# KiCad board KlusterLab r2.0.kicad_pcb (continued)
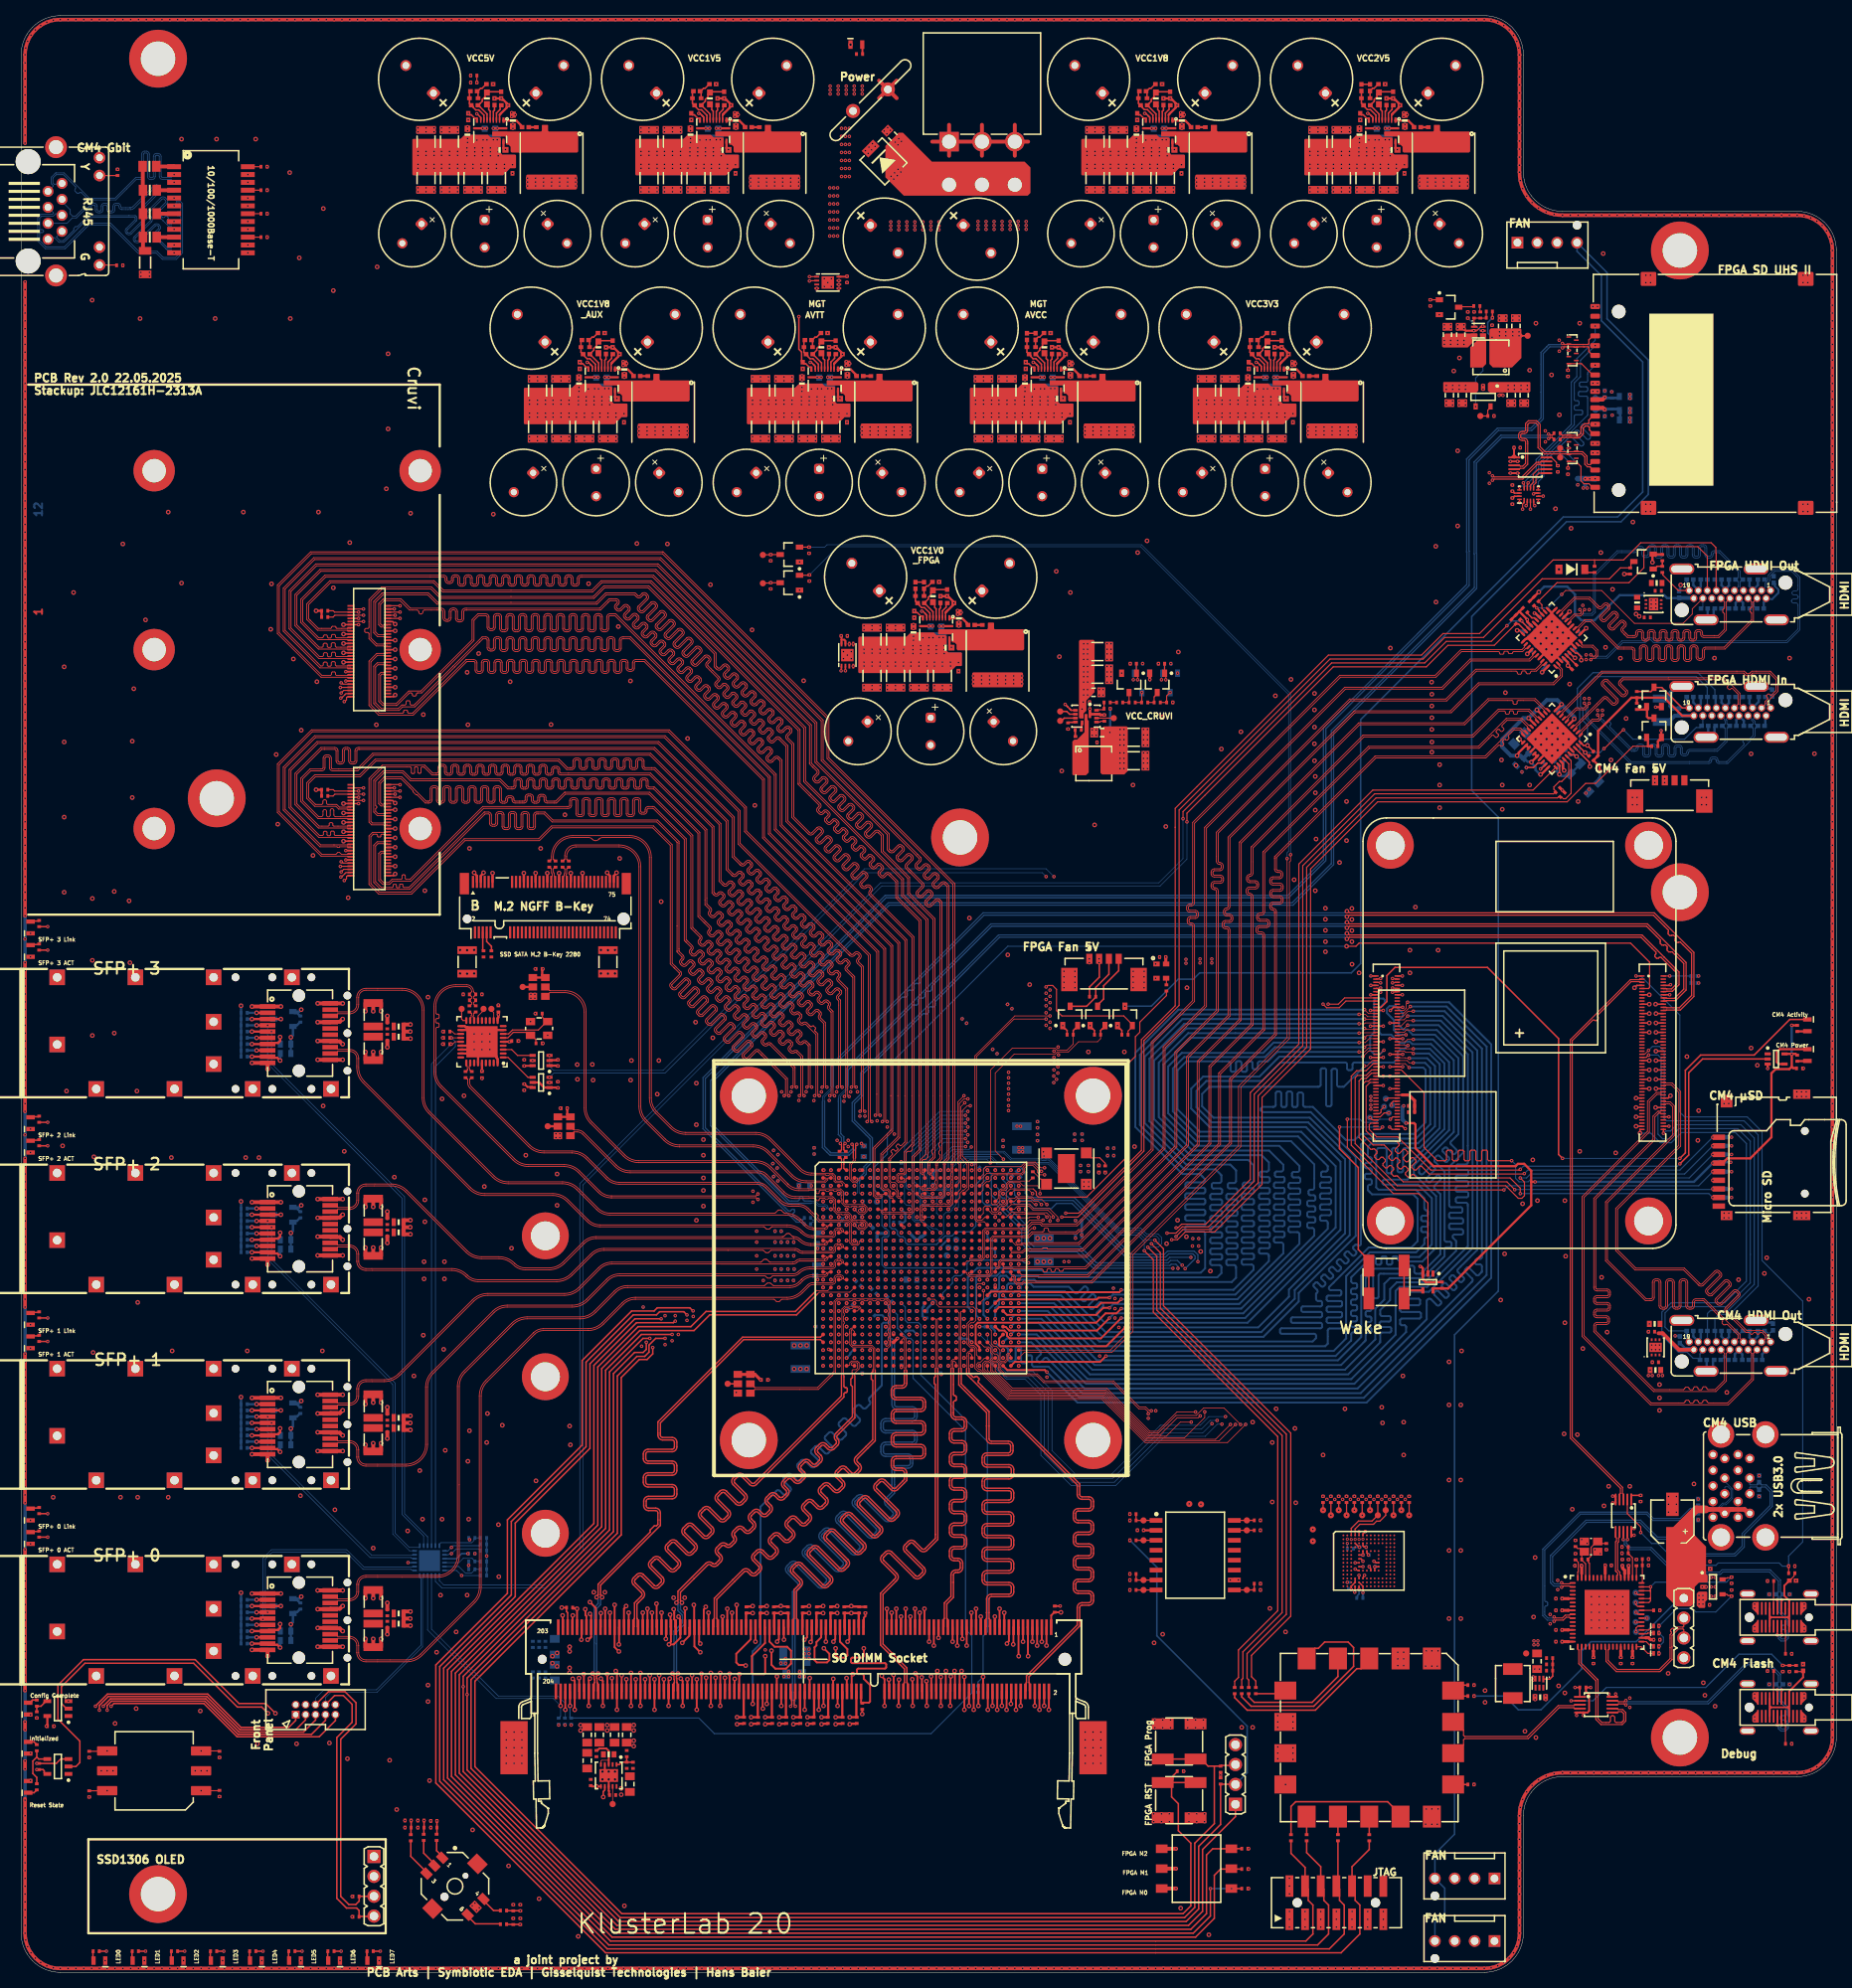
[diagram p0: board, top side]
## Routing (per net, layer and track width the routed paths; a pad name or vN(x,y) marks a point on that pad's centre or on a via; arc(x,y) is an arc through that point) (continued)
VCC1V0_FPGA: length 15.6
  L10 Inner9 (Sig) w0.4: v1(117.33,177.65) 117.33,176.91 116.8,176.39 116.8,175.05 119.06,172.79 119.06,171.56 119.71,170.91 119.71,168.97 120.33,168.35 120.33,166.78 v1(119.8,166.25)
  L12 Bottom w0.4: v1(109.5,93.5) 109.5,93.59 109.4,93.69 109.4,94.51 109.44,94.55 109.45,94.55 109.58,94.42 110.42,94.42 v1(110.5,94.5)
  vias: v1(96.63,102.77) v1(96.73,104.47) v1(96.73,101.12) v1(97.15,94.7) v1(97.15,93.3) v1(97.15,91.55) v1(97.15,89.85) v1(97.15,88.4) v1(97.96,93.3) v1(97.96,91.55) v1(98.01,89.85) v1(97.96,88.4) v1(101.35,104.56) v1(107.73,164.4) v1(107.73,163.9) v1(108.75,164.4) v1(108.75,163.9) v1(109.5,91.5) v1(109.78,164.4) v1(109.78,163.9) v1(110.5,92.5) v1(110.5,90.5) v1(110.73,164.4) v1(110.73,163.9) v1(111.5,93.5) v1(111.75,164.4) v1(111.75,163.9) v1(112.78,164.4) v1(112.78,163.9) v1(113.5,93.5) v1(113.5,87.5) v1(113.73,164.4) v1(113.73,163.9) v1(114.5,92.5) v1(114.5,90.5) v1(114.5,88.5) v1(114.5,86.5) v1(114.75,164.4) v1(114.75,163.9) v1(115.5,93.5) v1(115.5,91.5) v1(115.5,89.5) v1(115.5,87.5) v1(115.78,164.4) v1(115.78,163.9) v1(116.5,92.5) v1(116.5,90.5) v1(116.5,88.5) v1(116.5,86.5) v1(116.73,164.4) v1(116.73,163.9) v1(117.75,164.4) v1(117.75,163.9) v1(118.78,164.4) v1(118.78,163.9) v1(120.83,121.27) v1(121.73,165.64) v1(121.73,165.14) v1(121.73,164.64) v1(122.75,165.64) v1(122.75,165.14) v1(122.75,164.64) v1(123.78,165.64) v1(123.78,165.14) v1(123.78,164.64) v1(124.73,117.37) v1(124.8,165.64) v1(124.8,165.14) v1(124.8,164.64) v1(125.5,105.5) v1(125.83,165.64) v1(125.83,165.14) v1(125.83,164.64) v1(126.63,123.12) v1(126.85,165.64) v1(126.85,165.14) v1(126.85,164.64) v1(127.88,165.64) v1(127.88,165.14) v1(127.88,164.64) v1(129.9,107.9) v1(129.9,107.05) v1(134.65,106.3) v1(134.76,96.05) v1(134.76,93.8) v1(135.4,103.1) v1(135.6,106.3) v1(136.4,103.1) v1(138.86,105.3) v1(138.86,104.35)
VCC1V5: length 76.6
  L1 Top w0.3: J1.106 97.75,32.64 97.71,32.6 97.7,32.6 97.7,32.6 96.9,32.6 v2(96.9,32.6) ; v2(102.5,45.9) 102.5,45.9 101.69,45.9 101.65,45.87 J1.93 ; J1.87 103.45,45.87 103.49,45.9 104.3,45.9 v2(104.3,45.9) ; J1.88 103.15,32.64 103.11,32.6 C29.1 103.1,32.6 102.3,32.6 v2(102.3,32.6) ; J1.100 99.55,32.64 99.51,32.6 99.5,32.6 99.5,32.6 98.7,32.6 v2(98.7,32.6) ; J1.111 96.25,45.87 96.29,45.91 96.3,45.91 96.3,45.9 97.1,45.9 v2(97.1,45.9) 97.1,45.9 98,45.9 C35.1 ; v2(95.3,45.9) 95.3,45.9 94.5,45.9 C33.1 94.49,45.91 94.45,45.87 J1.117 ; C18.1 107.1,45.9 107.09,45.9 ; 107.09,45.9 107.05,45.87 J1.75 ; 107.09,45.9 106.1,45.9 v2(106.1,45.9) 106.1,45.9 105.3,45.9 105.3,45.91 105.29,45.91 105.25,45.87 J1.81 ; J1.94 101.35,32.64 101.31,32.6 C32.1 101.3,32.6 100.5,32.6 v2(100.5,32.6) ; v2(100.7,45.9) 100.7,45.9 99.89,45.9 99.85,45.87 J1.99 ; J1.105 98.05,45.87 ; v2(93.5,45.9) 93.5,45.9 92.7,45.9 C34.1 92.69,45.91 92.65,45.87 J1.123 ; J1.112 95.95,32.64 95.91,32.6 95.9,32.6 95.9,32.6 95.1,32.6 v2(95.1,32.6) ; v2(104.1,32.6) 104.1,32.6 104.9,32.6 104.9,32.6 104.91,32.6 104.95,32.64 J1.82 ; v2(93.3,32.6) 93.3,32.6 94.1,32.6 94.1,32.6 94.11,32.6 94.15,32.64 J1.118 ; J1.124 92.35,32.64 92.31,32.6 92.3,32.6 92.3,32.6 91.5,32.6 v2(91.5,32.6) ; J1.76 106.75,32.64 106.71,32.6 106.7,32.6 106.7,32.6 105.9,32.6 v2(105.9,32.6)
  L10 Inner9 (Sig) w0.4: v1(88.83,241.25) 88.83,240.51 88.3,239.99 88.3,238.65 90.56,236.39 90.56,235.16 91.21,234.51 91.21,232.57 91.83,231.95 91.83,230.38 v1(91.3,229.85)
  L12 Bottom w0.3: v1(115.5,83.5) 115.5,83.55 115.2,83.85 115.2,84.9 115.36,85.06 115.36,85.47 R3.2
  vias: v1(70.3,31.6) v1(79.23,228) v1(79.23,227.5) v1(80.25,228) v1(80.25,227.5) v1(81.28,228) v1(81.28,227.5) v1(82.23,228) v1(82.23,227.5) v1(83.25,228) v1(83.25,227.5) v1(84.28,228) v1(84.28,227.5) v1(85.23,228) v1(85.23,227.5) v1(86.25,228) v1(86.25,227.5) v1(87.28,228) v1(87.28,227.5) v1(88.23,228) v1(88.23,227.5) v1(89.25,228) v1(89.25,227.5) v1(90.28,228) v1(90.28,227.5) v1(93.23,229.24) v1(93.23,228.74) v1(93.23,228.24) v1(94.25,229.24) v1(94.25,228.74) v1(94.25,228.24) v1(95.28,229.24) v1(95.28,228.74) v1(95.28,228.24) v1(96.3,229.24) v1(96.3,228.74) v1(96.3,228.24) v1(97.33,229.24) v1(97.33,228.74) v1(97.33,228.24) v1(98.35,229.24) v1(98.35,228.74) v1(98.35,228.24) v1(99.38,229.24) v1(99.38,228.74) v1(99.38,228.24) v1(99.5,38.4) v1(99.5,37.8) v1(100.1,41.3) v1(100.1,40.7) v1(100.1,40.1) v1(100.1,37.8) v1(100.7,41.3) v1(100.7,40.7) v1(100.7,40.1) v1(102.5,82.5) v1(103.2,79.6) v1(104.5,86.5) v1(105.5,83.5) v1(106.5,80.5) v1(107.5,77.5) v1(108.5,84.5) v1(109.5,81.5) v1(110.5,78.5) v1(111.5,85.5) v1(112.52,82.52) v1(113.5,79.5) v1(116.5,80.5) v1(117.5,77.5) v1(118.5,84.5) v1(119.52,81.48) v1(120.5,78.5) v2(70.1,38.9) v2(70.1,38.3) v2(78.3,29.6) v2(78.3,28.9) v2(98.8,77.1) v2(99.6,77.1) v2(100.4,77.1)
VCC1V8: length 49.5
  L1 Top w0.2: v1(190.59,188.38) 190.64,188.38 190.73,188.47 190.73,188.48 190.85,188.6 U38.15 ; v1(171,48.93) U14.P5 ; v1(170,48.93) U14.P3 U14.N4 U14.M4 ; 190.59,188.36 190.64,188.36 ; U14.C6 171.5,54.51 171.62,54.38 171.85,54.38 v1(171.9,54.33) ; R94.1 R95.1
  L1 Top w0.3: v1(143.46,56.49) 143.47,56.48 U17.2 ; U36.5 66.2,113.7 66.85,113.05 U36.1 68.51,113.05 68.55,113.01 v1(68.6,113.01) ; C198.2 66.6,127.41 66.8,127.2 66.8,127.1 Y5.1 ; Y6.1 70,109.3 70,109.4 69.8,109.6 69.8,110.39 v1(69.8,110.4) ; C195.2 68.55,115.81 68.51,115.85 U24.1
  L1 Top w0.4: Y4.1 93.8,76.4 v1(94.5,75.7) ; 146.29,129.68 146.29,128.88 Y7.4
  L1 Top w0.5: v1(147.61,13.25) S3.24 145.69,13.34 ; 145.69,15.88 S3.34 v1(147.61,15.79) ; v1(147.61,10.71) S3.14 145.69,10.8
  L10 Inner9 (Sig) w0.4: v1(148.3,229.85) 148.83,230.38 148.83,231.95 148.21,232.57 148.21,234.51 147.56,235.16 147.56,236.39 145.3,238.65 145.3,239.99 145.83,240.51 v1(145.83,241.25)
  L12 Bottom w0.2: C243.1 122.44,102.79 122.44,102.53 v1(122.48,102.5) ; 59.5,55.4 59.5,50.7 R199.2 ; v1(171,48.93) 171,48.33 170.79,48.12 170.79,47.92 C154.1 ; C185.1 56.3,53.5 55.65,52.85 U22.21 ; v1(122.5,82.5) C227.1
  vias: v1(10.25,25.75) v1(11,25.75) v1(11.75,25.75) v1(22.25,25.75) v1(23,25.75) v1(23.75,25.75) v1(49.06,18.5) v1(50.71,18.5) v1(52.36,18.5) v1(57.1,53.5) v1(59.5,53.2) v1(62.9,8.64) v1(62.9,6.89) v1(66.7,128.2) v1(68.6,115.81) v1(99.49,180.2) v1(99.49,176.6) v1(100.7,181.31) v1(100.75,177.76) v1(107.5,87.5) v1(108.5,92.5) v1(121.5,85.5) v1(122.5,92.5) v1(123.5,99.5) v1(123.5,79.5) v1(124.5,96.5) v1(124.5,86.5) v1(125.5,83.5) v1(126.5,100.5) v1(126.5,80.5) v1(127.5,97.5) v1(127.5,77.5) v1(135.84,101) v1(135.84,100.4) v1(136.23,228) v1(136.23,227.5) v1(136.44,101) v1(136.44,100.4) v1(137.25,228) v1(137.25,227.5) v1(137.75,102.15) v1(138.28,228) v1(138.28,227.5) v1(138.55,102.15) v1(139.23,228) v1(139.23,227.5) v1(140.25,228) v1(140.25,227.5) v1(141.28,228) v1(141.28,227.5) v1(141.71,58.55) v1(141.71,50.9) v1(142.23,228) v1(142.23,227.5) v1(143.25,228) v1(143.25,227.5) v1(144.28,228) v1(144.28,227.5) v1(144.75,20.25) v1(144.75,19.25) v1(145.23,228) v1(145.23,227.5) v1(145.75,20.25) v1(145.75,19.25) v1(146.25,228) v1(146.25,227.5) v1(146.3,129.72) v1(146.75,20.25) v1(146.75,19.25) v1(147.28,228) v1(147.28,227.5) v1(149.29,59.86) v1(149.25,20.25) v1(149.25,19.25) v1(150.23,229.24) v1(150.23,228.74) v1(150.23,228.24) v1(150.25,20.25) v1(150.25,19.25) v1(151.25,229.24) v1(151.25,228.74) v1(151.25,228.24) v1(151.25,20.25) v1(151.25,19.25) v1(152.28,229.24) v1(152.28,228.74) v1(152.28,228.24) v1(153.3,229.24) v1(153.3,228.74) v1(153.3,228.24) v1(153.3,25.2) v1(154.33,229.24) v1(154.33,228.74) v1(154.33,228.24) v1(155.35,229.24) v1(155.35,228.74) v1(155.35,228.24) v1(156.38,229.24) v1(156.38,228.74) v1(156.38,228.24) v1(158.39,49.66) v1(160.6,28.8) v1(160.6,28) v1(160.6,27.3) v1(162.1,12.03) v1(162.1,11.03) v1(162.1,10.03) v1(162.55,28.7) v1(162.55,28) v1(162.55,27.2) v1(165.09,55.09) v1(188.25,198.85) v1(197.7,203.91) v1(197.7,191.4) v1(205.63,201.6) v1(205.63,201.1) v2(129.9,93.8) v2(130.7,93.8) v2(131.5,93.8)
VCC1V8_AUX: length 14
  L10 Inner9 (Sig) w0.4: v1(74.58,209.45) 74.58,208.71 74.05,208.19 74.05,206.85 76.31,204.59 76.31,203.36 76.96,202.71 76.96,200.77 77.58,200.15 77.58,198.58 v1(77.05,198.05)
  L12 Bottom w0.5: C246.1 101.59,89.03 101.65,88.96 101.65,88.65 v1(101.8,88.5)
  vias: v1(64.98,196.2) v1(64.98,195.7) v1(66,196.2) v1(66,195.7) v1(67.03,196.2) v1(67.03,195.7) v1(67.98,196.2) v1(67.98,195.7) v1(69,196.2) v1(69,195.7) v1(70.03,196.2) v1(70.03,195.7) v1(70.98,196.2) v1(70.98,195.7) v1(72,196.2) v1(72,195.7) v1(73.03,196.2) v1(73.03,195.7) v1(73.98,196.2) v1(73.98,195.7) v1(75,196.2) v1(75,195.7) v1(76.03,196.2) v1(76.03,195.7) v1(78.98,197.44) v1(78.98,196.94) v1(78.98,196.44) v1(80,197.44) v1(80,196.94) v1(80,196.44) v1(81.03,197.44) v1(81.03,196.94) v1(81.03,196.44) v1(82.05,197.44) v1(82.05,196.94) v1(82.05,196.44) v1(83.08,197.44) v1(83.08,196.94) v1(83.08,196.44) v1(84.1,197.44) v1(84.1,196.94) v1(84.1,196.44) v1(85.13,197.44) v1(85.13,196.94) v1(85.13,196.44) v1(107.5,90.5) v1(109.5,89.5) v1(109.5,87.5) v1(110.5,88.5) v1(111.5,91.5) v1(111.5,89.5) v1(111.5,87.5) v1(112.5,92.5) v1(112.5,86.5)
VCC2V5: length 14.7
  L1 Top w0.2: U2.7 74.6,23.3 74.4,23.1 v2(74.4,22.4)
  L10 Inner9 (Sig) w0.4: v1(176.8,229.85) 177.33,230.38 177.33,231.95 176.71,232.57 176.71,234.51 176.06,235.16 176.06,236.39 173.8,238.65 173.8,239.99 174.33,240.51 v1(174.33,241.25)
  vias: v1(164.73,228) v1(164.73,227.5) v1(165.75,228) v1(165.75,227.5) v1(166.78,228) v1(166.78,227.5) v1(167.73,228) v1(167.73,227.5) v1(168.75,228) v1(168.75,227.5) v1(169.78,228) v1(169.78,227.5) v1(170.73,228) v1(170.73,227.5) v1(171.75,228) v1(171.75,227.5) v1(172.78,228) v1(172.78,227.5) v1(173.73,228) v1(173.73,227.5) v1(174.75,228) v1(174.75,227.5) v1(175.78,228) v1(175.78,227.5) v1(178.73,229.24) v1(178.73,228.74) v1(178.73,228.24) v1(179.75,229.24) v1(179.75,228.74) v1(179.75,228.24) v1(180.78,229.24) v1(180.78,228.74) v1(180.78,228.24) v1(181.8,229.24) v1(181.8,228.74) v1(181.8,228.24) v1(182.83,229.24) v1(182.83,228.74) v1(182.83,228.24) v1(183.85,229.24) v1(183.85,228.74) v1(183.85,228.24) v1(184.88,229.24) v1(184.88,228.74) v1(184.88,228.24)
VCC3V3: length 112.3
  L1 Top w0.2: U14.F5 v1(171.5,53.33) U14.E6 ; 173,51.82 173.01,51.82 173.49,51.82 U14.J10 ; v1(173,51.82) 173,51.82 173,51.33 U14.K9 ; v2(69.1,46.6) C15.2 69.7,46.6 69.7,46.1 69.85,45.95 J1.199 ; v1(47.7,174.2) 47.7,174.2 46.84,174.2 J21.4 ; v1(206.99,60.94) 205.81,60.94 205.79,60.92 U10.1 ; J21.9 v1(43.13,172.99) ; U12.5 3.1,25.35 2.95,25.5 2.95,25.75 2.8,25.91 C148.1 ; J27.9 v1(43.13,150.13) ; 3.28,31.58 3.35,31.65 ; U9.1 199.21,35.22 C143.1 v1(198.6,36.4) ; 46.84,151.34 47.7,151.34
  L1 Top w0.25: 190.81,193.87 190.81,193.9 ; 190.81,193.87 191.09,193.58 ; 190.81,193.87 190.52,193.58 ; 190.81,193.87 190.81,193.55 190.81,193.55 U39.1 190.82,193.55 ; 190.81,193.87 v1(190.81,194.8) 190.8,194.8 ; v1(104.81,170.75) 104.85,170.71 104.85,170.26 ; 197.75,42.25 U7.16 ; U7.34 207.65,42.75 ; U27.8 104.85,170.26 ; 104.85,170.26 105.2,170.26 105.35,170.12 U27.7 ; U36.6 65.3,113.12 64.72,113.12 64.35,113.5 v1(64.3,113.5) ; v1(105.55,216.69) 105.51,216.65 U26.8 ; U24.6 65.35,115.83 64.32,115.83 C194.2 ; U7.52 204.95,50.95 ; U7.63 199.45,50.95
  L1 Top w0.3: R155.2 205.66,178.66 204.9,178.66 v2(204.9,178.65) ; C187.2 62.71,118.95 62.66,118.9 U23.5 ; U23.10 60.9,121.91 61,122.01 C188.2 ; R158.1 R159.1 191.48,173.87 ; U21.33 197.04,154.46 197.04,153.81 197.21,153.64 v2(197.21,153.56) ; U19.24 193.54,173.65 v1(193.4,173.65) ; R160.1 198.2,166.47 197.72,166.95 v2(197.7,166.95) 197.68,166.97 197.68,167.38 U19.4 ; v2(194.4,166.11) U19.40 ; v2(192.5,168.45) U19.34 ; 38.4,173.97 38.4,173.17 38.4,173.16 ; 38.4,173.97 38.4,173.96 v2(37.7,173.96) ; 38.4,173.97 38.4,173.97 ; 3.35,31.54 U15.5 ; 38.4,151.11 38.4,151.1 v2(37.7,151.1) ; 38.4,151.11 38.4,151.11 ; 38.4,151.11 38.4,150.31 38.4,150.3 ; R169.2 R168.2 ; U19.11 v2(200.02,171.73) ; U19.27 192.5,172.57 v1(192.5,172.84) 192.35,172.99 192.35,173 191.48,173.87 ; 191.48,173.87 R163.1 ; v1(3.22,31.45) 3.35,31.58 ; C186.2 U23.32 ; U19.17 v2(197.9,173.85)
  L1 Top w0.4: 207.65,42.75 208,42.75 208.25,42.5 v1(208.66,42.5) ; v1(196.95,42.25) 197.75,42.25 ; v1(204.65,51.95) 204.68,51.95 204.69,51.94 204.69,51.62 204.95,51.36 204.95,50.95 ; 199.46,50.95 199.46,52
  L1 Top w0.5: 48.9,121.1 v2(49.76,121.1) ; 48.9,69.3 v2(49.76,69.3) ; 48.88,95.2 L6.1 ; 48.88,95.2 L5.1 ; 48.88,95.2 v2(49.73,95.2) ; 48.88,45.2 L2.1 ; 48.88,45.2 L1.1 ; 48.88,45.2 v2(49.73,45.2) ; 48.9,119.3 v2(49.76,119.3) ; 48.9,71.1 v2(49.76,71.1) ; L3.1 48.88,70.2 ; 48.88,70.2 48.88,70.85 ; 48.88,70.2 v2(49.73,70.2) ; 48.9,46.1 v2(49.76,46.1) ; L7.1 48.88,120.2 ; 48.88,120.2 L8.1 ; 48.88,120.2 v2(49.73,120.2) ; 48.9,96.1 v2(49.76,96.1) ; 48.9,44.3 v2(49.76,44.3) ; 48.9,94.3 v2(49.76,94.3)
  L10 Inner9 (Sig) w0.4: v1(162.55,198.05) 163.08,198.57 163.08,200.15 162.46,200.77 162.46,202.71 161.81,203.36 161.81,204.59 159.55,206.85 159.55,208.19 160.08,208.71 v1(160.08,209.45)
  L12 Bottom w0.3: R40.2 R41.2 R36.2 R35.2 R34.2 R33.2 R32.2 R31.2 28.1,72.6 28.1,73.5 v2(28.1,73.5) ; C167.1 192.55,172.44 192.55,172.7 192.5,172.75 ; v2(192.5,168.45) 192.53,168.45 192.97,168.89 C172.1 ; C168.1 194.03,173.16 193.98,173.16 193.94,173.19 193.48,173.65 v1(193.4,173.65) ; v2(28.1,123.5) 28.1,123.5 28.1,122.6 R53.2 R54.2 R55.2 R56.2 R57.2 R58.2 R63.2 R62.2 ; v2(28.1,98.5) 28.1,98.5 28.1,97.6 R42.2 R43.2 R44.2 R45.2 R46.2 R47.2 R52.2 R51.2 ; C169.1 197.64,167.36 197.64,167.01 v2(197.7,166.95) ; 194.9,166.95 194.45,166.51 194.45,166.17 v2(194.4,166.11) ; v2(197.21,153.56) 197.15,153.62 197.15,153.83 197.13,153.85 197.13,154.59 197.1,154.62 197.1,154.68 C183.1 ; v2(28.1,48.5) 28.1,48.5 28.1,47.6 R20.2 R21.2 R22.2 R23.2 R24.2 R25.2 R30.2 R29.2 ; C171.1 199.25,171.11 199.31,171.11 199.35,171.15 199.43,171.15 v2(200.02,171.73) ; C170.1 197.23,173.13 197.23,173.19 v2(197.9,173.85)
  vias: v1(1.2,24.5) v1(2,32.51) v1(2,25.9) v1(42.3,9.7) v1(42.3,7.1) v1(47.7,151.34) v1(53.88,119.4) v1(53.88,118.6) v1(56.51,124.95) v1(58.9,124.95) v1(58.9,115.2) v1(61,122.36) v1(62.4,118.9) v1(64.3,115.81) v1(68.7,31.6) v1(69.5,31.6) v1(95.8,180.35) v1(95.8,176.76) v1(117.5,87.5) v1(120.5,88.5) v1(123.5,89.5) v1(125.52,93.52) v1(126.5,90.5) v1(127.53,105.35) v1(127.53,104.85) v1(127.5,87.5) v1(128,105.35) v1(128,104.85) v1(133.8,158.86) v1(150.48,196.2) v1(150.48,195.7) v1(151.5,196.2) v1(151.5,195.7) v1(152.53,196.2) v1(152.53,195.7) v1(153.48,196.2) v1(153.48,195.7) v1(154.5,196.2) v1(154.5,195.7) v1(155.53,196.2) v1(155.53,195.7) v1(156.48,196.2) v1(156.48,195.7) v1(157.5,196.2) v1(157.5,195.7) v1(158.53,196.2) v1(158.53,195.7) v1(159.48,196.2) v1(159.48,195.7) v1(160.5,196.2) v1(160.5,195.7) v1(161.53,196.2) v1(161.53,195.7) v1(164.48,197.44) v1(164.48,196.94) v1(164.48,196.44) v1(165.5,197.44) v1(165.5,196.94) v1(165.5,196.44) v1(166.53,197.44) v1(166.53,196.94) v1(166.53,196.44) v1(167.55,197.44) v1(167.55,196.94) v1(167.55,196.44) v1(168.58,197.44) v1(168.58,196.94) v1(168.58,196.44) v1(169.6,197.44) v1(169.6,196.94) v1(169.6,196.44) v1(170.63,197.44) v1(170.63,196.94) v1(170.63,196.44) v1(182.15,202.75) v1(182.15,202.25) v1(182.95,202.75) v1(182.95,202.25) v1(183.8,202.75) v1(183.8,202.25) v1(184.6,202.75) v1(184.6,202.25) v1(185.7,24) v1(191.82,153.37) v1(193.25,37.75) v1(193.25,37.35) v1(193.5,35.35) v1(193.5,34.85) v1(196.98,151.03) v1(199.45,51.95) v1(204.61,53.55) v1(209.44,46.25) v1(214.4,127.3) v1(218.6,49.7) v1(218.6,48.84) v2(56.1,130.62) v2(57,130.6) v2(57.9,130.62) v2(74.1,130.62) v2(75,130.6) v2(75.9,130.62) v2(76.7,23.5) v2(76.7,22.7) v2(191.06,154.21) v2(196.55,179.25)
VCC3V3_SD: length 16.4
  L3 Inner2 (Sig) w0.8: 200.5,200.45 198.44,202.51 190.19,202.51
  L3 Inner2 (Sig) w0.85: 204.96,198.48 203,200.45 200.5,200.45
  vias: v1(190.05,202.75) v1(190.05,202.25) v1(190.85,202.75) v1(190.85,202.25) v1(191.7,202.75) v1(191.7,202.25) v1(192.5,202.75) v1(192.5,202.25) v1(205.63,198.6) v1(205.63,198.1)
VCC5V: length 20.8
  L1 Top w0.2: v1(137.78,129.5) 137.8,129.47 137.8,127.15 136.56,125.91 R92.2 ; v2(47.8,163.2) 47.59,162.99 J21.60 ; J27.60 47.59,140.13 v2(47.8,140.34)
  L10 Inner9 (Sig) w0.4: v1(60.33,241.25) 60.33,240.51 59.8,239.99 59.8,238.65 62.06,236.39 62.06,235.16 62.71,234.51 62.71,232.57 63.33,231.95 63.33,230.38 v1(62.8,229.85)
  vias: v1(50.73,228) v1(50.73,227.5) v1(51.75,228) v1(51.75,227.5) v1(52.78,228) v1(52.78,227.5) v1(53.73,228) v1(53.73,227.5) v1(54.75,228) v1(54.75,227.5) v1(55.78,228) v1(55.78,227.5) v1(56.73,228) v1(56.73,227.5) v1(57.75,228) v1(57.75,227.5) v1(58.78,228) v1(58.78,227.5) v1(59.73,228) v1(59.73,227.5) v1(60.75,228) v1(60.75,227.5) v1(61.78,228) v1(61.78,227.5) v1(64.73,229.24) v1(64.73,228.74) v1(64.73,228.24) v1(65.75,229.24) v1(65.75,228.74) v1(65.75,228.24) v1(66.78,229.24) v1(66.78,228.74) v1(66.78,228.24) v1(67.8,229.24) v1(67.8,228.74) v1(67.8,228.24) v1(68.83,229.24) v1(68.83,228.74) v1(68.83,228.24) v1(69.85,229.24) v1(69.85,228.74) v1(69.85,228.24) v1(70.88,229.24) v1(70.88,228.74) v1(70.88,228.24) v1(135.6,161.4) v1(135.8,169.75) v1(135.8,169.05) v1(135.8,168.45) v1(135.8,167.75) v1(135.8,166.85) v1(135.8,166.15) v1(135.8,165.55) v1(135.8,164.85) v1(135.8,163.9) v1(135.8,163.2) v1(135.76,162.3) v1(136.3,169.75) v1(136.3,169.05) v1(136.3,168.45) v1(136.3,167.75) v1(136.3,166.85) v1(136.3,166.15) v1(136.3,165.55) v1(136.3,164.85) v1(136.3,163.9) v1(136.3,163.2) v1(137.78,129) v1(148.88,129.43) v1(148.88,128.93) v1(150.68,129.48) v1(150.68,128.98) v1(152.18,129.48) v1(152.18,128.98) v1(172.5,111.9) v1(172.5,111.4) v1(172.5,110.8) v1(172.5,110.3) v1(181.9,208.5) v1(181.9,208) v1(182.7,208.5) v1(182.7,208) v1(183.6,208.5) v1(183.6,208) v1(184.4,208.5) v1(184.4,208) v1(200,150.65) v1(200.4,151.15) v1(208,52) v1(209.28,76.25) v1(209.78,76.25) v1(210.05,152.52) v1(210.05,152.02) v1(214.45,48.15) v1(214.45,47.6) v1(214.45,47.05) v1(214.95,48.15) v1(214.95,47.6) v1(214.96,47.05) v2(206.4,173.55) v2(206.8,173.25)
VCC5V0_RX: length 27.2
  L1 Top w0.3: J24.18 212.3,160.55 209.99,162.86 R172.2 ; R172.2 R171.2 ; R172.2 205.8,162.86 201.55,158.61 201.55,155.46 R166.2 R167.2 201.74,154.07 201.74,153.51 v2(201.8,153.45)
  L12 Bottom w0.3: v2(201.8,153.45) 201.8,152.66 201.63,152.49 D49.2
  L12 Bottom w0.5: J24.18 211.35,160.55 210.55,159.75 C178.2
VCC12V: length 0.1
  L1 Top w0.2: 106.76,245.05 R212.2
  vias: v1(50.73,235.65) v1(50.73,235.15) v1(51.75,235.65) v1(51.75,235.15) v1(52.78,235.65) v1(52.78,235.15) v1(53.73,235.65) v1(53.73,235.15) v1(54.75,235.65) v1(54.75,235.15) v1(55.78,235.65) v1(55.78,235.15) v1(57.05,235.8) v1(57.05,235.3) v1(57.46,241.45) v1(59,235.6) v1(59.5,235.6) v1(60.35,235.6) v1(60.85,235.6) v1(62.85,236.1) v1(62.85,235.6) v1(64.98,203.85) v1(64.98,203.35) v1(66,203.85) v1(66,203.35) v1(67.03,203.85) v1(67.03,203.35) v1(67.98,203.85) v1(67.98,203.35) v1(69,203.85) v1(69,203.35) v1(70.03,203.85) v1(70.03,203.35) v1(71.3,204) v1(71.3,203.5) v1(73.25,203.8) v1(73.75,203.8) v1(74.6,203.8) v1(75.1,203.8) v1(77.1,204.3) v1(77.1,203.8) v1(79.23,235.65) v1(79.23,235.15) v1(80.25,235.65) v1(80.25,235.15) v1(81.28,235.65) v1(81.28,235.15) v1(82.23,235.65) v1(82.23,235.15) v1(83.25,235.65) v1(83.25,235.15) v1(84.28,235.65) v1(84.28,235.15) v1(85.55,235.8) v1(85.55,235.3) v1(87.5,235.6) v1(88,235.6) v1(88.85,235.6) v1(89.35,235.6) v1(91.35,236.1) v1(91.35,235.6) v1(93.48,203.85) v1(93.48,203.35) v1(94.5,203.85) v1(94.5,203.35) v1(95.53,203.85) v1(95.53,203.35) v1(96.48,203.85) v1(96.48,203.35) v1(97.5,203.85) v1(97.5,203.35) v1(98.53,203.85) v1(98.53,203.35) v1(99.8,204) v1(99.8,203.5) v1(101.75,203.8) v1(102.25,203.8) v1(103.1,203.8) v1(103.4,241) v1(103.4,240.5) v1(103.4,240) v1(103.35,228) v1(103.35,226.97) v1(103.35,225.95) v1(103.35,224.92) v1(103.35,223.9) v1(103.35,222.88) v1(103.35,221.85) v1(103.6,203.8) v1(103.85,228) v1(103.85,226.97) v1(103.85,225.95) v1(103.85,224.92) v1(103.85,223.9) v1(103.85,222.88) v1(103.85,221.85) v1(104.43,241) v1(104.43,240.5) v1(104.43,240) v1(104.35,228) v1(104.35,226.97) v1(104.35,225.95) v1(104.35,224.92) v1(104.35,223.9) v1(104.35,222.88) v1(104.35,221.85) v1(104.85,235.6) v1(104.85,234.58) v1(104.85,233.55) v1(104.85,232.53) v1(104.85,231.5) v1(104.85,230.48) v1(104.85,229.45) v1(105.35,235.6) v1(105.35,234.58) v1(105.35,233.55) v1(105.35,232.53) v1(105.35,231.5) v1(105.35,230.48) v1(105.35,229.45) v1(105.45,241) v1(105.45,240.5) v1(105.45,240) v1(105.6,204.3) v1(105.6,203.8) v1(105.85,235.6) v1(105.85,234.58) v1(105.85,233.55) v1(105.85,232.53) v1(105.85,231.5) v1(105.85,230.48) v1(105.85,229.45) v1(106.48,241) v1(106.48,240.5) v1(106.48,240) v1(107.5,241) v1(107.5,240.5) v1(107.5,240) v1(107.73,172.05) v1(107.73,171.55) v1(107.9,232.75) v1(108.25,232.4) v1(108.35,233.2) v1(108.7,232.85) v1(108.8,233.65) v1(108.75,172.05) v1(108.75,171.55) v1(109.15,233.3) v1(109.78,172.05) v1(109.78,171.55) v1(110.3,235.25) v1(110.65,234.9) v1(110.73,172.05) v1(110.73,171.55) v1(110.75,235.7) v1(111.1,235.35) v1(111.15,223.65) v1(111.15,223.15) v1(111.15,222.65) v1(111.75,172.05) v1(111.75,171.55) v1(112.18,223.65) v1(112.18,223.15) v1(112.18,222.65) v1(112.78,172.05) v1(112.78,171.55) v1(113.2,223.65) v1(113.2,223.15) v1(113.2,222.65) v1(114.05,172.2) v1(114.05,171.7) v1(114.23,223.65) v1(114.23,223.15) v1(114.23,222.65) v1(115.25,223.65) v1(115.25,223.15) v1(115.25,222.65) v1(116,172) v1(116.28,223.65) v1(116.28,223.15) v1(116.28,222.65) v1(116.5,172) v1(117.3,223.65) v1(117.3,223.15) v1(117.3,222.65) v1(117.35,172) v1(117.85,172) v1(119.85,172.5) v1(119.85,172) v1(121.98,203.85) v1(121.98,203.35) v1(122.3,223.7) v1(122.3,223.2) v1(122.3,222.7) v1(123,203.85) v1(123,203.35) v1(123.33,223.7) v1(123.33,223.2) v1(123.33,222.7) v1(124.03,203.85) v1(124.03,203.35) v1(124.35,223.7) v1(124.35,223.2) v1(124.35,222.7) v1(124.98,203.85) v1(124.98,203.35) v1(125.38,223.7) v1(125.38,223.2) v1(125.38,222.7) v1(126,203.85) v1(126,203.35) v1(126.4,223.7) v1(126.4,223.2) v1(126.4,222.7) v1(127.03,203.85) v1(127.03,203.35) v1(127.43,223.7) v1(127.43,223.2) v1(127.43,222.7) v1(128.3,204) v1(128.3,203.5) v1(128.45,223.7) v1(128.45,223.2) v1(128.45,222.7) v1(130.25,203.8) v1(130.75,203.8) v1(131.6,203.8) v1(132.1,203.8) v1(134.1,204.3) v1(134.1,203.8) v1(136.23,235.65) v1(136.23,235.15) v1(137.25,235.65) v1(137.25,235.15) v1(138.28,235.65) v1(138.28,235.15) v1(139.23,235.65) v1(139.23,235.15) v1(140.25,235.65) v1(140.25,235.15) v1(141.28,235.65) v1(141.28,235.15) v1(142.55,235.8) v1(142.55,235.3) v1(144.5,235.6) v1(145,235.6) v1(145.85,235.6) v1(146.35,235.6) v1(148.35,236.1) v1(148.35,235.6) v1(150.48,203.85) v1(150.48,203.35) v1(151.5,203.85) v1(151.5,203.35) v1(152.53,203.85) v1(152.53,203.35) v1(153.48,203.85) v1(153.48,203.35) v1(154.5,203.85) v1(154.5,203.35) v1(155.53,203.85) v1(155.53,203.35) v1(156.8,204) v1(156.8,203.5) v1(158.75,203.8) v1(159.25,203.8) v1(160.1,203.8) v1(160.6,203.8) v1(162.6,204.3) v1(162.6,203.8) v1(164.73,235.65) v1(164.73,235.15) v1(165.75,235.65) v1(165.75,235.15) v1(166.78,235.65) v1(166.78,235.15) v1(167.73,235.65) v1(167.73,235.15) v1(168.75,235.65) v1(168.75,235.15) v1(169.78,235.65) v1(169.78,235.15) v1(171.05,235.8) v1(171.05,235.3) v1(173,235.6) v1(173.5,235.6) v1(174.35,235.6) v1(174.85,235.6) v1(176.85,236.1) v1(176.85,235.6)
VCC_CRUVI_ADJ: length 9.3
  L1 Top w0.2: R91.2 133.68,120.34 133.43,120.59 133.35,120.59 133.13,120.82 v1(133.13,120.97) ; v1(140.13,120.97) 140.13,120.82 140.35,120.59 140.43,120.59 140.68,120.34 R291.2 ; v2(47.8,144.94) 47.8,144.94 46.84,144.94 J27.36 ; R93.2 137.18,120.34 136.93,120.59 136.85,120.59 136.63,120.82 v1(136.63,120.97) ; J21.36 46.84,167.8 47.8,167.8 v2(47.8,167.8)
  L12 Bottom w0.3: v1(139.2,161.47) 139.2,158.46 v1(139.15,158.42)
  vias: v1(109.5,101.5) v1(110.51,98.51) v1(111.5,95.5) v1(112.5,102.5) v1(113.5,99.5) v1(114.5,96.5) v1(116.5,100.5) v1(117.5,97.5) v1(118.5,94.5) v1(119.5,101.5) v1(119.5,91.5) v1(120.5,98.5) v1(121.5,95.5) v1(140.45,158.8) v1(140.45,158.1) v1(140.45,157.5) v1(140.45,156.8) v1(140.45,155.8) v1(140.45,155.1) v1(140.45,154.5) v1(140.45,153.8) v1(140.95,158.8) v1(140.95,158.1) v1(140.95,157.5) v1(140.95,156.8) v1(140.95,155.8) v1(140.95,155.1) v1(140.95,154.5) v1(140.95,153.8) v1(175.95,40.9) v1(175.95,40.05) v1(175.95,39.2) v1(176.7,40.9) v1(176.7,40.05) v1(176.7,39.2)
VCC_USB: length 48.2
  L1 Top w0.6: 217.08,59.15 218.7,59.15 ; 217.08,59.15 217.58,58.65 ; 217.08,59.15 215.82,59.15 215.82,59.15 215.5,59.15 ; 218.7,59.15 218.39,59.15 217.89,58.65 ; 218.7,59.15 220.27,59.15 220.77,58.65
  L1 Top w1: C60.1 211.05,56.1 214.1,59.15 215.3,59.15
  L12 Bottom w0.2: v1(185.7,35.3) 189.6,35.3 191.35,33.55 194.25,33.55 199.45,38.75 199.45,41.05 200.65,42.25 206.43,42.25 211.23,47.05 211.75,47.05 J15.1
VCCADJ_SD: length 50.4
  L1 Top w0.2: v1(190.59,189.24) 190.64,189.24 190.73,189.15 190.73,189.12 190.85,189 U38.14 ; 191.87,209.1 TP35.1 ; 191.87,209.1 191.63,209.34 ; 191.87,209.1 v1(191.45,209.1) ; 191.58,208.82 191.82,209.07 ; v1(188.05,211.4) C530.2
  L3 Inner2 (Sig) w0.5: v1(190.59,189.24) 190.11,189.24 189.33,190.02 189.33,199.56 188.13,200.76 188.13,206.72 188.95,207.55 v1(188.95,209.1) v1(188.95,209.6)
  L3 Inner2 (Sig) w0.8: 205.61,199.8 204.6,200.81 204.6,202.2 202.6,204.2 202.6,205.55 201.94,206.22 195.59,206.22 192.45,209.35 189.75,209.35 ; 205.63,199.41 v1(205.63,199.8)
  L12 Bottom w0.2: v1(188.05,211.4) 187.45,210.8 187.45,209.45 v1(188,208.9)
  vias: v1(189.75,209.6) v1(189.75,209.1) v1(190.65,209.6) v1(190.65,209.1) v1(191.45,209.6) v1(205.63,199.3)
150MHz_REFCLK_N: length 64
  L1 Top w0.1: 100.7,100.1 104.75,100.1 105.1,99.75 105.1,98.33 105.33,98.1 107.78,98.1 108.1,97.78 108.1,97.22 107.78,96.9 107.08,96.9 106.5,97.48 v1(106.5,97.5)
  L1 Top w0.114: 98.03,100.71 98.08,100.66 ; 98.03,100.71 97.97,100.77 95.86,102.89 arc(94.95,103.49) 93.89,103.7 78.95,103.7 arc(77.98,103.89) 77.16,104.44 72.94,108.66 arc(72.39,109.48) 72.2,110.45 72.2,122.76 arc(71.42,124.64) 69.54,125.42 67.63,125.42 arc(67.57,125.43) 67.51,125.47 arc(67.5,125.49) 67.49,125.51 67.17,125.83 arc(67.09,125.88) Y5.5 ; 98.03,100.71 arc(98.68,100.27) 99.46,100.12 100.69,100.12